# Altium PCB LH_JG_HHT_MAIN_PCB(DY)_V3.1DPT20170416PM.PcbDoc (continued)
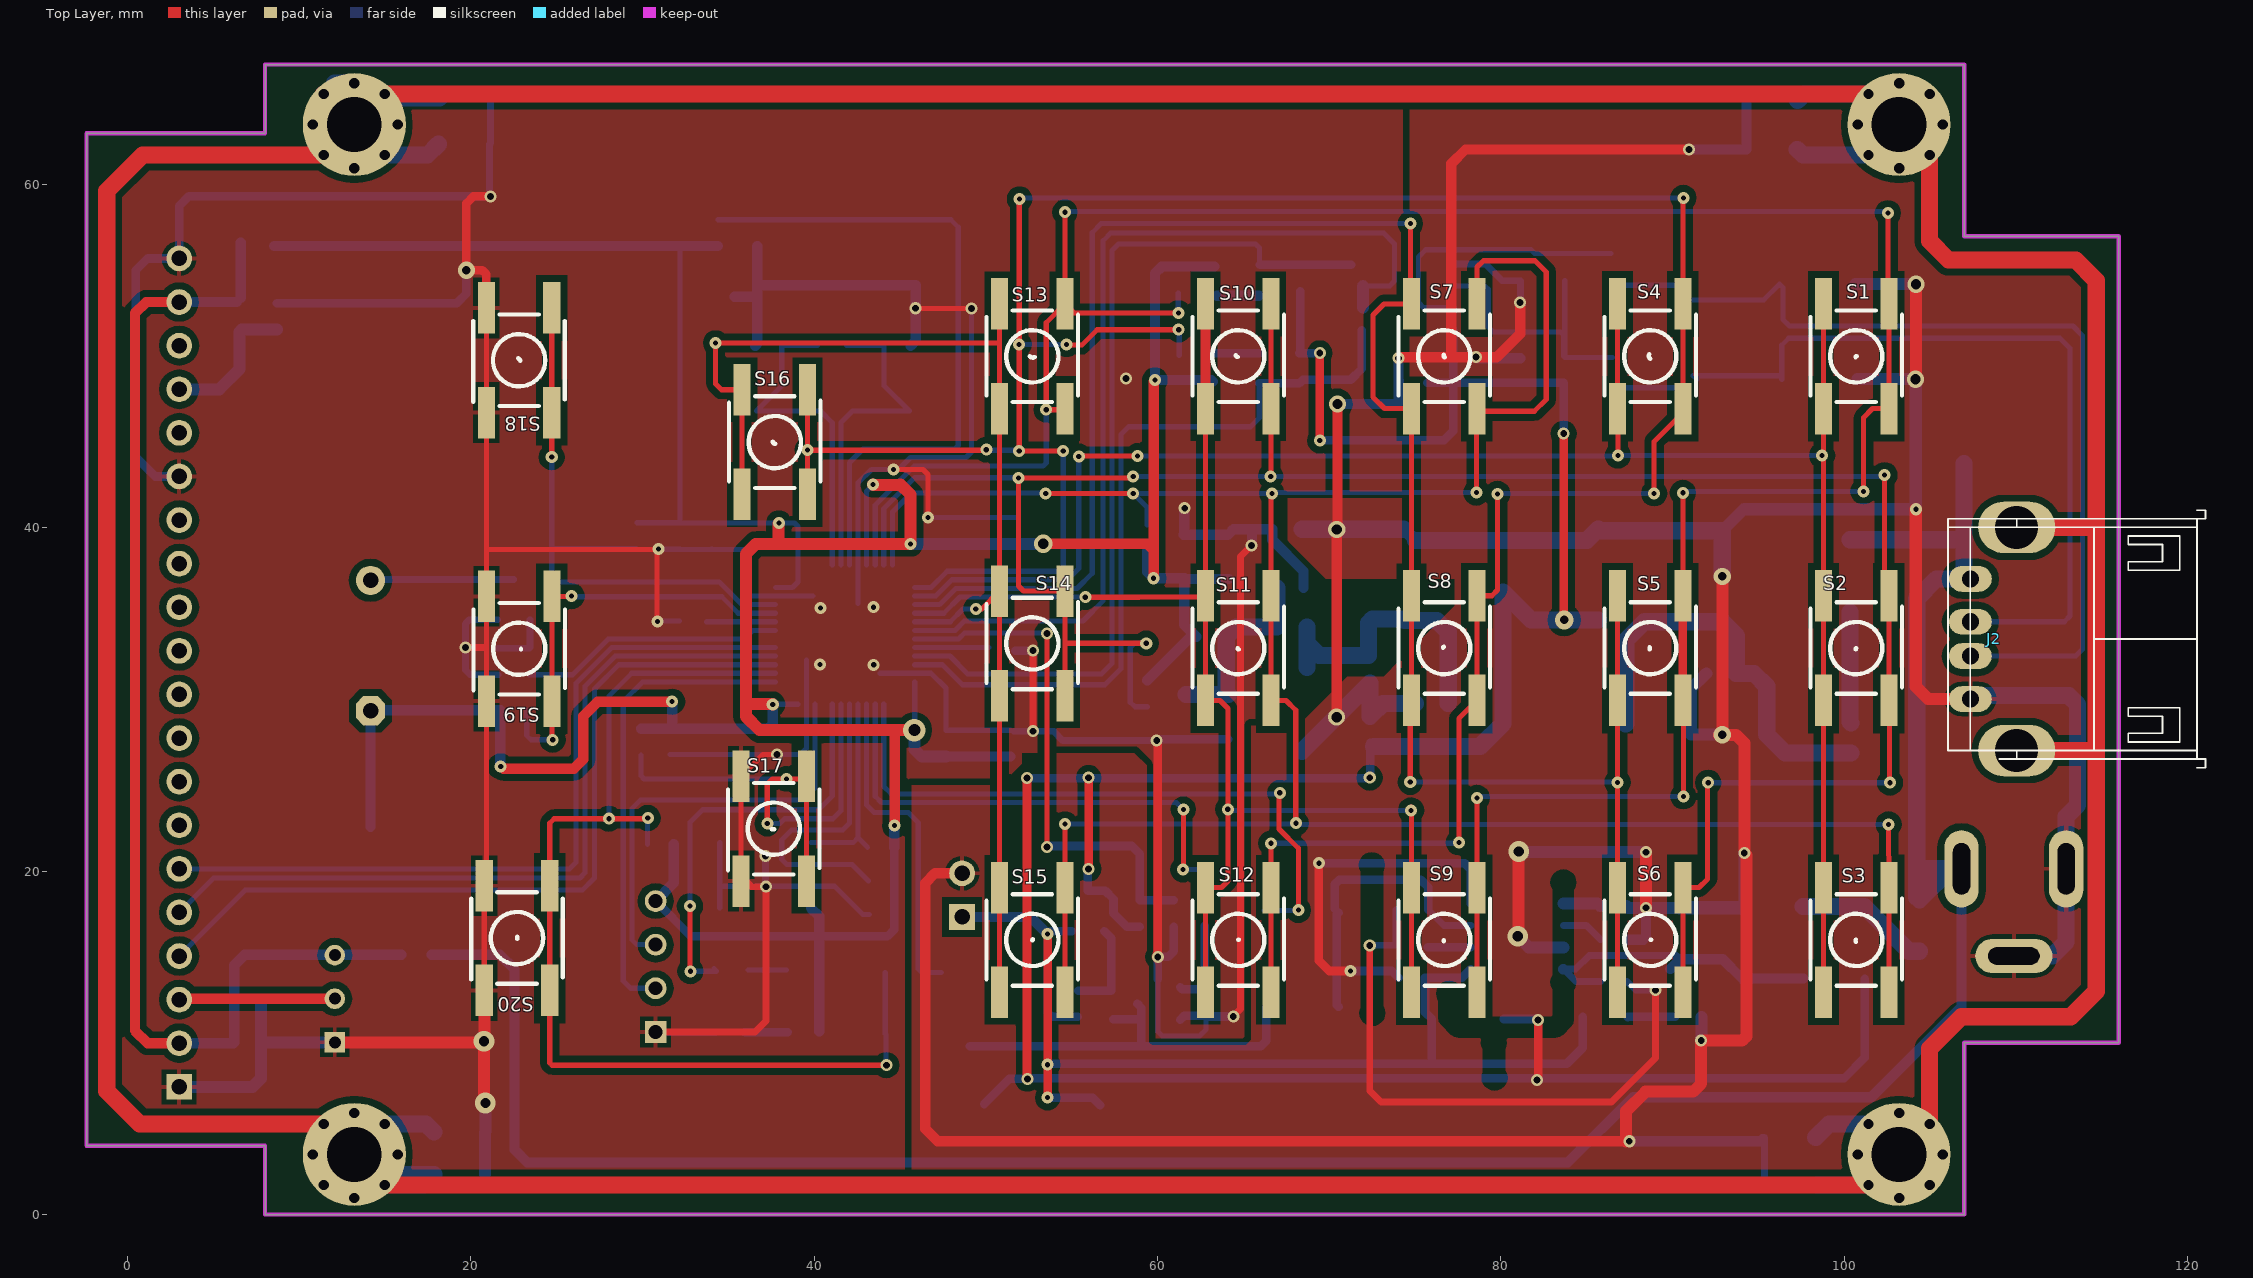
[diagram p0: Top Layer view]
## Nets (pads, with @x,y where several pads share a name; then routed paths per layer and width w, separated by ;. In a path a pad name is that pad's centre, name@x,y a point inside that pad or via, vN(x,y) a via of type N, cw(c..) or ccw(c..) an arc to the next point about the centre after c; other vN are vias at no path point)
485_C: U2.18 U4.2 U4.3 | length 55.5
  Bottom Layer w0.3: U2.18 48.197,34.032 48.74,34.576 55.648,34.576 56.83,35.758 56.83,56.731 57.274,57.175 73.175,57.175 73.81,56.54 73.81,54.381 73.531,54.102 U4.3
  Bottom Layer w0.7: U4.2 U4.3
485A: D16.2 D17.2 J2.2 R38.1 | length 50
  Bottom Layer w0.3: R38.1 D16.2@90.513,48.172 ; D16.2@91.413,48.666 D16.2 D17.2@96.157,48.869 ; D17.2 96.36,50.64 96.77,51.05 112.58,51.05 113.16,50.47 113.16,34.866 112.827,34.533 J2.2
485B: D16.1 D18.2 J2.3 R36.1 | length 54.2
  Bottom Layer w0.3: R36.1 D16.1@90.358,54.141 ; D16.1 95.316,53.289 D18.2 96.44,53.994 96.44,52.135 96.809,51.765 113.326,51.765 113.89,51.201 113.89,32.927 113.496,32.533 J2.3
BAT_C: D5.1 U2.26 | length 37.3
  Top Layer w0.3: v1(67.12,24.57) 67.08,24.53 67.08,22.46 68.2,21.34 v1(68.2,17.74)
  Bottom Layer w0.3: U2.26 44.05,24.94 44.48,24.51 67.06,24.51 v1(67.12,24.57) ; D5.1 v1@68.18,17.72
BEEP: R24.1 U2.43 | length 15.5
  Bottom Layer w0.3: R24.1@23.41,31.43 R24.1 25.91,31.45 27.992,33.532 35.916,33.532 36.416,34.032 U2.43
BOOT0: R19.2 U2.44 | length 4
  Bottom Layer w0.3: R19.2@33.722,34.532 U2.44
BOOT1: R22.2 U2.20 | length 4.3
  Bottom Layer w0.3: U2.20 R22.2@50.17,33.032
CHRG: CN1.7 D3.2 D5.2 D13.2 | length 16.9
  Bottom Layer w0.4: D13.2 76.694,16.84 CN1.7
  Bottom Layer w0.5: D5.2@70.32,17.81 70.32,19.24 70.59,19.51 75.33,19.51 75.78,19.06 D13.2 ; D3.2 70.44,12.21 70.44,17.49 D5.2@70.54,17.59
EGND: EC1.1 EC2.1 EC3.1 EC4.1 EGND1.0 EGND2.0 EGND3.0 EGND4.0 ER1.1 ER2.1 ER3.1 ER4.1 J2.5 J2.6 | length 378.4
  Top Layer w1: v3(11.422,5.278) 0.702,5.278 -1.22,7.2 -1.22,59.63 0.872,61.722 v3(11.422,61.722) ; v3(11.422,65.278) v3(14.978,65.278) v3(101.422,65.278) ; v3(14.978,1.722) v3(101.422,1.722) ; v3(104.978,5.278) 104.978,9.668 106.83,11.52 113.2,11.52 114.69,13.01 114.69,54.41 113.49,55.61 106.08,55.61 104.978,56.712 v3(104.978,61.722) ; J2.5 114.597,27.033 ; J2.6 114.263,40.033
  Bottom Layer w1: EGND2.0 v3(14.978,5.278) 17.372,5.278 ER1.1 ; v3(13.2,65.913) 12.057,65.913 12.057,62.103 12.438,61.722 EGND4.0@14.978,64.262 ; v3(14.978,1.722) 17.232,1.722 EC1.1 EGND2.0@15.586,2.33 ; v3(14.978,61.722) 17.468,61.722 EC3.1 ; EGND4.0@15.202,65.054 ER3.1 ; ER4.1 97.6,61.722 v3(101.422,61.722) ; EC4.1 97.658,65.278 v3(101.422,65.278) ; EC2.1 99.122,5.278 v3(101.422,5.278) ; ER2.1@98.462,1.722 v3(101.422,1.722)
  other v3: 13.2,0.96 103.2,0.96 11.422,1.722 104.978,1.722 10.787,3.5 15.74,3.5 100.787,3.5 105.74,3.5 13.2,5.913 103.2,5.913 13.2,60.96 103.2,60.96 10.787,63.5 15.74,63.5 100.787,63.5 105.74,63.5 104.978,65.278 103.2,65.913
GND: C1.1 C9.1 C10.1 C14.2 C15.2 C27.2 C28.2 CN1.0 CN1.3 D1.1 D8.1 D11.1 D17.1 D18.1 E2.2 E6.2 E7.2 E8.2 EC2.2 EC4.2 ER2.2 ER4.2 GND1.1 J1.2 J1.3 J2.4 L2.1 R9.2 R39.1 R41.2 RISET1.2 U1.1 U4.5 | length 328.7
  Top Layer w0.6: C14.2 47.03,19.88 46.46,19.31 46.46,5 47.19,4.27 87.29,4.27 v2(87.48,4.27) ; v4@70.44,28.99 v4(70.44,39.91) ; v4@70.48,39.95 v4(70.48,47.22) ; v2@74.1,49.95 77.11,49.95 ; v2(81.12,53.14) 81.12,51.32 79.75,49.95 v2(78.56,49.95) 77.11,49.95 ; v2(90.96,62.05) 77.94,62.05 77.11,61.22 77.11,49.95
  Top Layer w0.7: v5@80.98,20.89 v5@81,20.91 ; v5(80.983,16.205) 81.04,16.262 v5(81.04,21.15) ; v2@87.29,4.27 87.29,6.02 88.43,7.16 91.2,7.16 91.67,7.63 v2(91.67,10.13) 94.05,10.13 94.3,10.38 94.3,20.95 v2(94.18,21.07) ; v2(88.45,17.87) v2(88.45,21.11) ; v6(92.9,37.18) 92.9,28.14 92.71,27.95 v6(92.9,27.95) 93.7,27.95 94.19,27.46 v2@94.19,21.13 ; v1@104.17,41.09 104.17,30.76 104.897,30.033 J2.4 ; v4@104.18,48.68 v4(104.18,54.2)
  Bottom Layer w0.4: U4.5 79.108,55.372 80.081,54.399 R39.1 v2@81.14,53.16 ; RISET1.2@87.35,15.93 87.42,16 87.42,16.01 RISET1.2 ; D11.1@93.91,17.87 D11.1 D11.1@94.18,18.14 ; ER2.2 EC2.2
  Bottom Layer w0.6: v4(70.48,47.22) 73.94,47.22 74.05,47.33 C27.2 ; C27.2@74.04,48.6 v2(74.04,49.89) ; v2@78.616,49.894 C28.2 ; RISET1.2@87.42,16.01 88.29,16.01 88.45,16.17 v2(88.45,17.87) ; v2(87.48,4.27) 95.134,4.27 EC2.2@95.244,4.38 ; v2(90.96,62.05) 94.288,62.05 ER4.2 94.31,62.072 EC4.2
  Bottom Layer w0.7: E2.2@74.331,39.929 E2.2@74.39,39.988 ; E2.2 E2.2@75.022,39.27 ; v5(80.983,16.205) 81.618,15.57 CN1.3 ; v5(81.04,21.15) 81.08,21.11 v2(88.45,21.11) ; R41.2 87.42,17.87 v2(88.45,17.87) C15.2 ; v2(91.67,10.13) 91.69,10.15 R9.2 ; C9.1 91.07,30.626 D8.1 92.885,27.965 v6(92.9,27.95) ; E7.2 94.154,41.09 v1(104.18,41.09) ; D11.1@94.18,18.14 v2(94.18,21.07) ; D18.1 v4@104.176,54.204 ; D17.1 104.17,48.666 v1@104.17,41.31
  Bottom Layer w0.8: C15.2 D11.1@93.91,17.87
  Bottom Layer w1: D1.1@68.406,26.975 72.38,30.949 C10.1 73.139,29.774 U1.1 ; L2.1 E2.2@74.331,39.929 ; E2.2@75.022,39.27 E6.2 85.003,39.27 E8.2 85.772,39.836 E7.2 v6(92.9,37.18) ; J2.4 107.547,30.23 113.08,30.23 113.6,29.71 113.6,23.856 112.932,23.188 J1.2 112.932,15.872 112.122,15.062 J1.3
  other v4: 70.43,28.98 104.16,48.66
KEY: D2.1 U2.28 | length 19.3
  Bottom Layer w0.3: U2.28 43.05,23.87 43.49,23.43 45.47,23.43 46.06,22.84 46.06,14.3 46.263,14.097 D2.1@47.393,14.097
LCD_CLK: P1.6 U2.41 | length 46.2
  Bottom Layer w0.3: P1.6 25.74,20.14 26.12,20.52 26.12,30.953 28.199,33.032 U2.41
LCD_CS: P1.4 U2.39 | length 48.2
  Bottom Layer w0.3: P1.4 6.838,18.898 26.488,18.898 27.2,19.61 27.2,30.619 28.613,32.032 U2.39
LCD_POW: C11.1 C13.1 P1.2 P1.19 R10.3 R13.2 R14.2 R15.1 | length 71.8
  Top Layer w0.6: P1.2 1.16,9.98 0.42,10.72 0.42,52.51 1.07,53.16 P1.19
  Bottom Layer w0.6: P1.2 6.162,9.98 C11.1 C13.1 6.215,14.529 6.825,15.138 R14.2 ; P1.19 R15.1@6.345,53.16 ; R15.1@6.585,53.4 R13.2
LCD_SID: P1.5 U2.40 | length 47.3
  Bottom Layer w0.3: P1.5 5.009,19.609 26.35,19.609 26.65,19.909 26.65,30.776 28.406,32.532 U2.40
LED0: D14.2 U2.32 | length 24.7
  Top Layer w0.3: v1@32.76,14.2 v1(32.76,17.97)
  Bottom Layer w0.3: v1(32.76,17.97) 32.76,22.86 33.48,23.58 40.249,23.58 41.05,24.381 U2.32 ; v1(32.787,14.173) D14.2 D14.2@34.158,14.32
LED1: U2.33
MCU_ADC: R1.2 R2.1 U2.19 | length 30.6
  Top Layer w0.3: v2(53.56,21.42) v2(53.56,33.85)
  Bottom Layer w0.3: U2.19 48.404,33.532 48.762,33.89 v2@53.56,33.89
  Bottom Layer w0.5: v2(53.56,21.42) 53.61,21.47 58.5,21.47 58.95,21.02 R1.2 R2.1@60.95,18.316
NetC8_2: C8.2 E1.1 E3.1 L1.2 R3.2 | length 11.3
  Bottom Layer w1: E3.1 E1.1 64,30.422 R3.2 64.584,34.239 L1.2 66.945,36.485 C8.2
NetC9_2: C9.2 D8.2 E7.1 F2.2 L3.1 | length 24.5
  Bottom Layer w1: L3.1 87.276,33.441 88.37,34.536 E7.1 93.715,33.721 C9.2 94.745,31.521 95.49,30.776 D8.2 96.568,26.887 F2.2
NetC12_1: C12.1 R9.1 | length 2.8
  Bottom Layer w0.5: C12.1 87.4,11.52 R9.1
NetC15_1: C15.1 CN1.4 D9.2 D11.2 R8.2 | length 18.2
  Bottom Layer w0.4: R8.2 84.37,13.58 CN1.4 84.36,14.3 85.15,15.09 90.22,15.09 C15.1
  Bottom Layer w0.6: CN1.4@83.64,14.29 CN1.4 ; C15.1@89.87,14.3 C15.1 92.93,14.87 D11.2 D11.2@94.05,13.75 ; D11.2@94.14,13.66 D11.2@94.05,13.75 ; D9.2 D11.2@94.05,13.75
NetC16_1: C16.1 P1.17 R15.2 | length 8.2
  Bottom Layer w0.7: P1.17 5.34,48.08 6.51,49.25 R15.2 ; R15.2@6.639,51.554 C16.1
NetC17_1: C17.1 R21.2 U2.5 Y1.1 | length 19.5
  Bottom Layer w0.3: R21.2 C17.1 38.1,48.276 Y1.1 40.36,46.816 41.05,46.127 U2.5
NetC18_1: C18.1 R21.1 U2.6 Y1.2 | length 19.2
  Bottom Layer w0.3: U2.6 41.55,46.138 42.22,46.808 Y1.2 44.07,48.278 C18.1 R21.1
NetCN1_1: CN1.1 R41.1 | length 2.2
  Bottom Layer w0.7: CN1.1 85.64,18.11 R41.1
NetCN1_2: CN1.2 RISET1.1 | length 2.5
  Bottom Layer w0.4: CN1.2 84.98,16.84 RISET1.1
NetCN1_6: CN1.6 D12.2 | length 2.5
  Bottom Layer w0.5: D12.2@75.74,15.57 CN1.6
NetCN1_8: CN1.8 Rx1.2 | length 21.7
  Top Layer w0.5: v1(69.4,20.47) 69.4,14.79 70,14.19 v1(71.24,14.19)
  Bottom Layer w0.5: v1(69.4,20.47) 77.89,20.47 78.25,20.11 CN1.8 ; v1(71.24,14.19) 73.64,14.19 Rx1.2
NetD3_1: D3.1 D4.1 Q2.3 R5.1 | length 23.6
  Bottom Layer w0.5: D4.1@49.06,9.8 66.02,9.8 66.34,10.12 D3.1 ; R5.1@57.426,11.367 59.06,11.367 ; Q2.3@58.81,12.29 59.06,12.04 59.06,11.367 ; 59.06,9.81 59.06,11.367
NetD6_1: D6.1 D9.1 F1.1 | length 7.9
  Bottom Layer w1: D9.1 101.17,17.95 D6.1 103.78,15.34 F1.1
NetD7_2: D7.2 F2.1 | length 6.5
  Bottom Layer w1: D7.2 100.34,28.697 F2.1
NetD12_1: D12.1 D13.1 R8.1 | length 35.8
  Top Layer w0.4: v2(72.36,15.67) 72.36,7.22 73.03,6.55 86.45,6.55 89.01,9.11 v2(89.01,13.07)
  Bottom Layer w0.4: v2(72.36,15.67) 72.38,15.69 D12.1 73.88,15.73 D13.1 ; R8.1 87.86,13.07 v2(89.01,13.07)
NetD14_1: D14.1 R11.1 | length 2.3
  Bottom Layer w0.3: D14.1@36.131,14.249 R11.1
NetD15_1: D15.1 R12.1 | length 2.5
  Bottom Layer w0.5: D15.1@35.99,10.617 R12.1
NetJ3_2: J3.2 Q3.3 | length 8.3
  Bottom Layer w0.4: J3.2@14.205,37.005 Q3.3
NetP1_3: P1.3 R10.2 | length 9
  Top Layer w0.6: P1.3@3.053,12.573 R10.2
NetQ1_1: Q1.1 R4.2 R5.2 | length 5.6
  Bottom Layer w0.5: R4.2@55.375,13.033 R5.2 57.3,16.105 Q1.1
NetQ2_1: Q2.1 R6.2 R7.2 | length 5.2
  Bottom Layer w0.5: Q2.1@61.31,13.24 61.43,13.12 R7.2 ; R7.2@62.75,13.2 R6.2
NetQ3_1: Q3.1 R24.2 R25.2 | length 3.4
  Bottom Layer w0.4: R25.2 R24.2 ; R24.2@23.44,33.04 Q3.1
NetR34_1: R34.1 R38.2 R40.1 U4.6 | length 17.3
  Bottom Layer w0.3: U4.6 79.066,54.102 79.26,53.908 79.26,51.7 79.55,51.41 83.472,51.41 83.66,51.222 R34.1 83.733,49.922 R38.2 ; R34.1@83.72,50.055 R40.1
NetR35_2: R35.2 RX2.1 | length 2.6
  Bottom Layer w0.5: R35.2@63.315,50.176 RX2.1
NetR36_2: R36.2 R39.2 R40.2 U4.7 | length 16.3
  Bottom Layer w0.3: U4.7 75.498,52.832 75.2,53.13 75.2,55.786 75.625,56.21 81.749,56.21 81.97,55.99 R36.2@86.412,55.99
NetR37_2: R37.2 TX1.1 | length 2.4
  Bottom Layer w0.6: R37.2@63.466,53.532 TX1.1
NRST: C19.2 KEY1.1 KEY1.4 R23.1 U2.7 | length 39.6
  Bottom Layer w0.3: R23.1@34.385,57.955 KEY1.4 KEY1.1 47.955,57.955 48.39,57.52 48.39,44.808 48.185,44.602 42.834,44.602 42.05,43.818 U2.7
PA0: R16.1 S1.2 S1.3 S5.2 S5.3 S9.2 S9.3 S13.2 S13.3 U2.10 | length 155.4
  Top Layer w0.3: S13.2@54.516,46.863 54.491,46.888 v1(53.51,46.888) 53.51,51.953 S13.3 ; v1(54.605,58.395) S13.3 ; v1(61.22,52.52) 55.133,52.52 S13.3 ; S9.2 S9.3 v1(78.605,24.275) ; S5.2 90.56,29.907 90.63,29.837 v1(90.63,24.359) ; S5.3 v1(90.605,42.047) ; v1(101.12,42.13) 101.12,46.42 101.652,46.952 S1.2 S1.3 102.55,53.103 v1(102.55,58.344)
  Top Layer w0.5: S13.2@54.58,46.977 S13.2 ; S5.2 S5.3
  Bottom Layer w0.3: U2.10 43.55,41.337 45.813,43.601 53.321,43.601 53.51,43.79 v1(53.51,46.888) ; v1(54.605,58.395) 54.645,58.434 102.46,58.434 v1(102.55,58.344) ; v1@61.2,52.54 R16.1 ; v1@78.689,24.359 v1(90.63,24.359) ; v1@90.685,42.127 v1@101.12,42.127
PA1: R17.1 S2.2 S2.3 S6.2 S6.3 S10.2 S10.3 S14.2 S14.3 U2.11 | length 139.3
  Top Layer w0.3: S14.2 54.605,33.28 ; v1@58.478,42.901 v1(51.9,42.901) 51.9,36.614 52.192,36.322 S14.3 54.605,33.28 ; v1(59.34,33.28) 54.605,33.28 ; v1@66.605,43.017 S10.2 S10.3 ; S6.2 S6.3 91.548,19.048 92.04,19.54 v1@92.04,25.08 ; v1(102.35,43.078) 102.35,36.303 S2.3@102.524,36.129 ; S2.3 S2.2 102.65,29.907 v1@102.65,25.18
  Bottom Layer w0.3: U2.11 44.05,41.13 45.846,42.926 v1@51.9,42.926 ; v1(58.58,43.002) v1(66.59,43.002) v1@102.35,43.002 ; v1(59.34,33.28) 58.66,33.28 58.41,33.03 58.41,29.85 58.68,29.58 R17.1 ; v1(92.08,25.16) v1(102.67,25.16)
PA2: R18.1 S3.2 S3.3 S7.2 S7.3 S11.2 S11.3 S15.2 S15.3 U2.12 | length 150.8
  Top Layer w0.3: v1(53.483,42.012) v1(58.58,42.012) ; S15.2 S15.3 v1(54.605,22.75) ; v1(66.66,42.01) 66.605,42.01 S11.3 S11.2 67.478,29.952 68.05,29.38 68.05,22.82 v1(68.07,22.8) ; v1(78.57,42.062) S7.2@78.57,46.917 ; S7.2 S7.2@78.57,46.917 ; S7.3 78.605,55.195 78.98,55.57 81.98,55.57 82.64,54.91 82.64,47.49 81.95,46.8 78.687,46.8 S7.2@78.57,46.917 ; v1(102.59,22.73) S3.3 S3.2
  Bottom Layer w0.3: U2.12 44.55,40.923 45.664,42.037 v1@53.483,42.037 ; v1(54.605,22.75) v1@68.02,22.75 ; R18.1 59.39,41.202 v1(58.58,42.012) v1@66.658,42.012 ; v1@66.713,42.062 v1(78.57,42.062) ; v1@68.195,22.675 68.25,22.73 v1(102.59,22.73)
PA3: R20.1 S4.2 S4.3 S8.2 S8.3 S12.2 S12.3 S16.2 S16.3 U2.13 | length 170.1
  Top Layer w0.3: S16.2 v1(39.605,44.552) ; S16.3 v1(39.605,44.552) ; v1@50.02,44.526 39.732,44.526 39.681,44.475 v1(39.605,44.552) ; v1@51.94,59.137 v1(51.94,44.475) v1(54.5,44.475) ; v1@54.74,50.65 55.58,50.65 56.48,51.55 v1(61.23,51.55) ; S12.2 S12.3 v1@66.605,21.625 ; v1(77.55,21.68) 77.55,28.897 S8.2 S8.3 79.465,36.048 79.8,36.383 v1(79.8,41.986) ; v1(88.93,42.012) 88.93,45.037 90.58,46.687 90.46,46.807 S4.2 S4.3 90.605,59.233 v1(90.63,59.233)
  Bottom Layer w0.3: U2.13 46.8,36.532 47.749,37.481 50.321,37.481 54.226,37.48 54.5,37.754 v1(54.5,44.475) v1@54.5,44.602 ; v1@50.02,44.526 51.889,44.526 v1(51.94,44.475) ; v1(51.93,50.69) v1(54.7,50.69) ; v1@51.96,59.233 v1@90.605,59.233 ; R20.1 v1@61.26,51.52 ; v1(66.6,21.63) v1@77.5,21.63 ; v1@79.735,42.189 79.913,42.012 v1(88.93,42.012)
  other v1: 50.02,44.56 51.96,59.157
PA4: S1.1 S1.4 S2.1 S2.4 S3.1 S3.4 S4.1 S4.4 U2.14 | length 109
  Top Layer w0.3: v1@55.435,44.196 v1(58.84,44.196) ; S4.4 S4.1 86.86,46.887 86.8,46.827 86.82,46.807 v1(86.82,44.221) ; S3.1 S3.4 S2.1 S2.4 S1.1 S1.4
  Bottom Layer w0.3: U2.14 47.077,36.032 48.025,36.981 50.114,36.981 ; 50.115,36.98 54.746,36.98 55.41,37.644 v1(55.41,44.171) ; v1(58.84,44.196) v1@86.795,44.196 ; v1(86.82,44.221) v1(98.714,44.221)
PA5: S5.1 S5.4 S6.1 S6.4 S7.1 S7.4 S8.1 S8.4 U2.15 | length 121.1
  Top Layer w0.3: v1(74.72,25.197) 74.72,29.877 S8.1 S8.4 S8.4@74.775,36.068 ; v1(74.73,57.734) 74.73,53.283 S7.4@74.88,53.133 ; S8.4@74.795,36.088 S7.1 73.218,46.952 72.55,47.62 72.55,52.4 73.198,53.048 S7.4 ; S6.1 S6.4 v1(86.795,25.171) S5.4
  Bottom Layer w0.3: U2.15 47.287,35.532 48.236,36.481 49.907,36.481 ; 49.908,36.48 55.305,36.48 56.19,37.365 56.19,57.202 56.722,57.734 v1(74.73,57.734) ; v1(74.72,25.197) v1@86.77,25.197
PA6: S9.1 S9.4 S10.1 S10.4 S11.1 S11.4 S12.1 S12.4 U2.16 | length 81.1
  Top Layer w0.3: v1(55.79,35.966) 58.926,35.966 ; 58.93,35.97 S11.4@62.717,35.97 ; S12.1 S12.4 63.728,19.048 64.11,19.43 64.11,29.48 63.638,29.952 S11.1 S11.4 S10.1 ; v1(74.77,23.54) 74.77,23.72 74.795,23.745 S9.4 S9.1
  Top Layer w0.6: S10.1 S10.4
  Bottom Layer w0.3: U2.16 47.545,35.032 48.494,35.981 49.7,35.981 v1@55.79,35.98 ; v1@64.16,23.54 v1(74.77,23.54)
  other v1: 64.09,23.61
PA7: S13.1 S13.4 S14.1 S14.4 S15.1 S15.4 S16.1 S16.4 U2.17 | length 72.4
  Top Layer w0.3: S16.1 S16.4 34.601,48.048 34.25,48.399 v1(34.25,50.775) 50.744,50.775 ; v1(49.41,35.281) 49.754,35.281 S14.4 ; S15.1 S15.4 S14.1 S14.4 ; S13.4 S13.1 S14.4
  Bottom Layer w0.3: U2.17 47.921,34.532 48.669,35.281 v1(49.41,35.281)
PA8: D2.2 D4.2 R26.1 S20.1 S20.4 U2.38 | length 63.7
  Top Layer w0.3: v1@30.26,23.06 v1(28.03,23.06) 24.85,23.06 24.585,22.795 S20.1 S20.4 24.585,8.845 24.73,8.7 v2(44.2,8.7)
  Bottom Layer w0.3: v1(28.03,23.06) 28.03,30.2 29.362,31.532 U2.38 ; R26.1 v1@30.28,23.08 ; D4.2@44.13,10.53 D2.2 ; v2@44.17,8.73 D4.2
  other v1: 30.3,23.1
PA9: R27.1 S19.1 S19.4 U2.45 | length 24.8
  Top Layer w0.3: v1@24.715,27.705 S19.4 S19.1 v1@25.86,36.012
  Bottom Layer w0.3: R27.1 23.25,27.9 23.49,27.66 v1(24.76,27.66) ; v1(25.86,36.03) 25.898,35.992 34.613,35.992 35.573,35.032 U2.45
PA10: R30.1 S18.1 S18.4 U2.46 | length 34.2
  Top Layer w0.3: v1(24.705,44.124) S18.4 S18.1
  Bottom Layer w0.3: v1(24.705,44.124) 24.705,37.302 25.152,36.855 34.457,36.855 35.78,35.532 U2.46 ; 24.725,38.81 R30.1
PA11: R31.1 S17.1 S17.4 U2.31 | length 31.2
  Top Layer w0.3: v1(37.26,22.78) 37.26,25.08 37.56,25.38 v1(38.38,25.38) S17.1@39.4,25.38 ; S17.4 S17.1
  Bottom Layer w0.3: R31.1@29.9,26.76 29.9,25.56 30.08,25.38 v1(38.38,25.38) ; v1(37.26,22.78) 37.99,22.78 38.27,23.06 41.09,23.06 41.55,23.52 U2.31
PWR: R6.1 U2.27 | length 29.9
  Top Layer w0.3: v1@61.5,20.12 v1(61.5,23.6)
  Bottom Layer w0.3: U2.27 43.55,24.37 43.91,24.01 61.09,24.01 v1(61.5,23.6) ; v1(61.48,20.1) 62.36,20.1 62.75,19.71 R6.1
STM_RXD3: R33.1 RX2.2 U2.22 U4.1 | length 45.6
  Bottom Layer w0.3: U2.22 47.465,32.032 48.636,30.861 56.94,30.861 57.86,31.781 57.86,45.45 58.308,45.898 65.412,45.898 65.92,46.406 RX2.2
  Bottom Layer w0.5: RX2.2 68.263,48.426 68.47,48.633 71.255,48.633 71.906,49.284 U4.1@71.906,51.512
STM_SWC: CON1.2 U2.37 | length 27.7
  Bottom Layer w0.3: CON1.2 29.3,13.183 28.87,13.613 28.87,29.9 30.002,31.032 U2.37
STM_SWD: CON1.3 U2.34 | length 25.2
  Bottom Layer w0.3: CON1.3 29.657,15.723 29.37,16.01 29.37,23.64 29.89,24.16 39.34,24.16 40.05,24.87 U2.34
STM_TXD3: R32.1 TX1.2 U2.21 U4.4 | length 51.5
  Bottom Layer w0.3: U2.21 47.9,32.532 48.936,31.496 56.723,31.496 57.34,32.113 57.34,56.158 57.73,56.548 65.707,56.548 65.947,56.307 65.947,55.329 TX1.2@65.91,55.367
  Bottom Layer w0.5: TX1.2@65.947,55.329 R32.1 U4.4@71.288,55.329
U_SCL: R28.2 U2.30 U3.6 | length 18
  Bottom Layer w0.3: U2.30 42.05,22.8 41.66,22.41 38.69,22.41 38.1,21.82 38.1,20.69 38.394,20.396 U3.6 42.195,20.396 R28.2
U_SDA: R29.2 U2.29 U3.5 | length 11.4
  Bottom Layer w0.3: U3.5 42.269,21.666 42.55,21.947 ; U2.29 42.55,21.947 ; R29.2 42.55,21.947
V_BAT: C12.2 C14.1 CN1.5 D10.1 Q1.2 R4.1 Rx1.1 V_BAT1.1 | length 67.5
  Top Layer w0.5: v1(53.59,6.81) v1(53.59,8.73) v1(53.59,16.34)
  Bottom Layer w0.5: v1(53.59,6.81) 56.21,6.81 V_BAT1.1 ; v1@53.59,8.79 76.05,8.79 ; Q1.2 53.765,16.515 v1(53.59,16.34) 53.59,11.77 53.842,11.518 R4.1 ; CN1.5 77.74,13.79 Rx1.1 75.58,11.79 D10.1 75.98,8.86 76.05,8.79 ; C12.2 84.77,9.72 83.84,8.79 76.05,8.79
  Bottom Layer w0.6: C14.1 52.59,17.34 v1(53.59,16.34)
VCC-3.3V: C1.2 D1.2 E2.1 L1.1 U1.2 | length 17.3
  Bottom Layer w1: D1.2@68.695,31.875 68.695,33.283 ; L1.1 68.695,33.283 ; E2.1 76.264,34.612 76.93,33.946 U1.2 ; E2.1@74.39,34.688 72.514,34.688 72.29,34.464 C1.2 69.399,32.579 68.695,33.283
VCC-5V: C10.2 C27.1 C28.1 D6.2 D10.2 E6.1 E8.1 L3.2 Q1.3 R1.1 R32.2 R33.2 R34.2 U1.3 U4.8 VCC-1.1 | length 180.5
  Top Layer w0.3: v2(72.36,25.451) v2@72.38,25.431
  Top Layer w0.5: v2@52.39,7.93 v2(52.39,25.425) ; v2(55.98,20.14) v2(55.98,25.45) ; v1(69.45,45.085) v2(69.45,50.19) ; v2(82.1,7.84) 82.17,7.91 v2(82.17,11.34) ; v2(83.66,45.5) 83.66,34.67 v9(83.69,34.64)
  Bottom Layer w0.5: VCC-1.1 51.36,7.9 v2(52.42,7.9) ; v2@52.29,25.425 v2(52.39,25.425) 72.38,25.425 C10.2 ; v2@52.42,7.85 52.5,7.93 99.99,7.93 101.19,9.13 D6.2 ; v2@55.94,20.1 Q1.3 56.945,18.865 57.43,18.38 57.43,17.55 58.204,16.776 R1.1 ; R33.2 v2@69.433,50.173 ; R33.2@68.32,50.223 R32.2 ; v1@69.492,45.11 76.69,45.11 77.214,45.634 77.214,48.455 ; C27.1@75.725,48.455 77.214,48.455 ; U4.8@77.214,51.512 77.214,48.455 ; D10.2 82.12,11.39 v2(82.17,11.34) ; v2(83.66,45.5) R34.2 77.214,48.455
  Bottom Layer w1: C10.2@72.581,27.274 U1.3 78.795,27.274 80.13,28.609 E6.1 81.763,34.637 E8.1
VDD: C2.1 C3.2 C4.2 C5.2 C6.2 C7.2 C20.2 C21.2 C22.2 C23.2 C24.2 C25.2 C26.2 CON1.4 E4.1 E5.1 J3.1 R3.1 R11.2 R12.2 R13.1 R16.2 R17.2 R18.2 R20.2 R23.2 R26.2 R27.2 R28.1 R29.1 R30.2 R31.2 R35.1 R37.1 U2.1 U2.9 U2.24 U2.36 U2.48 U3.8 VDD1.1 | length 242.4
  Top Layer w0.5: 36.02,29.718 v1(37.58,29.718) ; 36.02,31.471 36.1,31.471
  Top Layer w0.6: v1@21.89,25.97 25.99,25.97 26.54,26.52 26.54,29.03 27.39,29.88 v1(31.72,29.88) ; v1(44.68,22.657) 44.68,28.189 ; v8(53.34,39.076) 59.4,39.076 59.772,38.705 ; v1(59.772,37.069) 59.772,38.705 ; v1@59.772,48.537 59.772,38.705
  Top Layer w0.7: 36.02,29.718 36.02,29.016 36.816,28.219 v7(45.83,28.219) ; v1(37.58,29.718) 37.555,29.743 36.02,29.743 36.02,31.471 36.02,38.495 36.59,39.065 37.92,39.065 ; v1@37.92,40.264 37.92,39.065 ; v1(43.43,42.524) 43.445,42.509 44.993,42.509 45.008,42.524 45.02,42.524 45.61,41.934 v1(45.61,39.065) 37.92,39.065
  Bottom Layer w0.3: R30.2@29.69,40.3 C4.2 32.176,56.414 ; C4.2@32.186,40.29 C2.1 38.841,40.29 39.05,40.081 U2.1 39.05,36.852 38.73,36.532 U2.48 ; v1@37.594,29.732 U2.36 ; U2.9 43.05,42.144 v1(43.43,42.524) ; v7@45.85,28.239 U2.24
  Bottom Layer w0.5: CON1.4 32.817,16.205 40.29,16.205 ; 40.367,16.205 44.261,16.205 44.65,16.595 R29.1
  Bottom Layer w0.6: R13.1@8.522,56.43 R23.2 ; VDD1.1@14.147,22.583 J3.1 ; J3.1@14.18,29.38 R27.2 v1@21.71,26.15 ; R31.2@29.9,28.3 37.3,28.3 37.58,28.58 v1(37.58,29.718) ; CON1.4 31.82,19.323 R26.2 ; C21.2@31.72,28.37 v1(31.72,29.88) ; U3.8 40.29,17.37 40.29,16.205 R11.2 R12.2@40.29,10.677 ; R29.1 v1@44.65,22.627 ; C23.2@47.676,26.682 C25.2@51.426,26.682 ; R18.2 59.39,37.451 v1(59.772,37.069) E4.1 ; R17.2 61.935,33.655 R3.1 61.56,34.345 E4.1 ; R35.1 63.126,48.616 v1(59.85,48.616) 59.85,54.832 60.246,55.228 R37.1 ; E5.1 61.6,37.029 E4.1
  Bottom Layer w0.7: v1(45.61,39.065) C7.2@51.72,39.065 ; v7@45.85,28.239 45.85,27.085 46.263,26.672 C23.2@47.666,26.672 ; C7.2@51.731,39.076 v8(53.34,39.076) v8@53.449,39.076
  other v1: 21.73,26.1 37.94,40.284
VSS: C2.2 C3.1 C4.1 C5.1 C6.1 C7.1 C8.1 C11.2 C13.2 C16.2 C17.2 C18.2 C19.1 C20.1 C21.1 C22.1 C23.1 C24.1 C25.1 C26.1 CON1.1 D15.2 E1.2 E3.2 E4.2 E5.2 EC1.2 EC3.2 ER1.2 ER3.2 KEY1.2 KEY1.3 L2.2 P1.1 P1.15 P1.20 Q2.2 Q3.2 R2.2 R7.1 R10.1 R19.1 R22.1 R25.1 S17.2 S17.3 S18.2 S18.3 S19.2 S19.3 S20.2 S20.3 U2.8 U2.23 U2.35 U2.47 U3.1 U3.2 U3.3 U3.4 U3.7 VSS1.1 | length 380.9
  Top Layer w0.3: S20.3 S20.2 20.905,19.284 S19.3 S19.2@20.905,35.255 ; S19.2@20.86,36.057 ccw(c20.905,36.057) S19.2@20.895,36.014 ; S18.2 S18.3 20.895,38.735 ; v1@30.84,34.554 30.84,38.735 20.895,38.735 ; S17.3 35.737,19.71 S17.2 37.01,26.8 v2(37.82,26.8) ; v1(44.62,43.409) 46.335,43.409 46.63,43.113 v1(46.63,40.619) ; v2@45.9,52.79 v2(49.16,52.79) ; S19.2@20.895,36.014 ccw(c20.905,36.057) S19.2 ; S19.2@20.895,36.014 20.895,35.265 S19.2@20.905,35.255 ; S19.2@20.895,36.014 S19.2@20.895,36.022 ; S19.2@20.895,36.022 20.895,38.735 ; S19.2@20.895,36.022 S19.2 ; S19.2@20.905,35.255 S19.2
  Top Layer w0.4: v2(19.68,33.04) 20.845,33.04 ; CON1.1 36.553,10.643 37.18,11.27 v2(37.18,19.1) 36.347,19.1 S17.3@35.737,19.71 ; v2(52.74,28.16) v2(52.74,32.85) ; v2(64.41,11.54) 64.84,11.97 64.84,38.34 v2(65.47,38.97)
  Top Layer w0.5: S18.2 20.895,54.775 20.66,55.01 v6(19.73,55.01) 19.73,58.91 20.14,59.32 v2(21.14,59.32) ; v2(59.95,27.62) 60.01,27.56 v2(60.01,15.01)
  Top Layer w0.7: R10.1 20.703,10.033 v5(20.76,10.09) ; v5@20.76,6.58 v5(20.76,10.09) ; S20.3 20.775,10.105 v5(20.76,10.09)
  Bottom Layer w0.3: v1@30.87,34.569 R19.1 ; v1@30.92,38.76 C4.1 ; C21.1@31.595,26.8 C21.1 C22.1 39.18,26.8 39.55,27.17 U2.35 39.55,32.299 ; C4.1@32.186,38.75 C3.1@34.03,38.75 ; C3.1 C3.1@34.03,38.75 ; U3.1 U3.2 ; U3.4 U3.3 U3.2 ; 39.934,36.032 U2.47 36.188,36.032 35.91,36.311 C2.2 C3.1@34.03,38.75 ; 42.55,35.6 U2.8 42.55,42.634 43.325,43.409 v1(44.62,43.409) 44.914,43.409 45.606,44.101 48.841,44.101 49.16,44.42 v2(49.16,52.79) ; C26.1 42.825,17.475 41.174,19.126 U3.7 U3.2 ; 43.836,31.532 U2.23 46.803,31.532 47.666,30.669 47.666,28.212 C25.1@51.416,28.212 ; v1@46.633,40.616 C7.1@51.731,40.616 ; 60.037,13.717 60.01,13.717 60.01,10.66 60.27,10.4 62.45,10.4 62.83,10.78 R7.1
  Bottom Layer w0.4: v2@21.08,59.38 EC3.2 ; EC3.2@21.13,62.404 ER3.2 ; Q3.2 19.915,34.655 19.68,34.42 v2(19.68,33.04) 19.68,31.72 19.95,31.45 R25.1 ; CON1.1@30.811,10.592 D15.2 ; v2@37.15,19.13 v2(37.15,20.89) ; C25.1@51.62,28.16 v2(52.74,28.16) 53.93,28.16 54.47,27.62 v2(59.95,27.62) v2@59.888,27.682
  Bottom Layer w0.5: P1.15 1.61,43 0.46,44.15 0.46,55 1.16,55.7 P1.20 3,58.76 3.56,59.32 v2(21.14,59.32) ; C16.2 19.164,53.094 19.73,53.66 v6(19.73,55.01) ; R22.1 v2@52.732,32.842 ; v2@59.888,27.682 E3.2 E1.2 ; 60.01,13.717 v2(60.01,15.01) 60.62,15.01 60.94,15.33 R2.2@60.94,16.76 ; Q2.2@61.31,11.34 61.55,11.58 R7.1 62.87,11.54 v2(64.41,11.54)
  Bottom Layer w0.6: VSS1.1 36.59,53.47 ; C17.2 36.68,50.742 36.68,54.145 ; C19.1 36.68,54.145 ; C18.2 45.908,50.92 KEY1.2 KEY1.3 36.68,54.145 ; E4.2@61.53,39.599 64.089,39.599 E5.2 64.419,39.929 65.5,39.929 ; E4.2 61.56,41.13 v2(61.58,41.15) ; v2@65.5,39 65.5,39.929 ; C8.1 68.5,37.484 66.68,39.304 L2.2 65.5,39.929
  Bottom Layer w0.7: P1.1 3.002,7.442 7.267,7.442 7.755,7.93 C11.2 ; C13.2 C11.2 ; R10.1 C11.2 ; EC1.2 ER1.2 ; ER1.2@20.84,4.83 v5(20.84,6.5)
  other v1: 43.46,32.029 40.34,32.055 30.87,34.55 40.37,35.331 43.44,35.382 30.92,38.78
  other v2: 58.17,48.71 45.89,52.8
VUSB: D7.1 F1.2 J1.1 J2.1 R14.1 VUSB1.1 | length 153.5
  Bottom Layer w0.6: R14.1 21.682,15.138 22.54,14.28 22.54,3.77 23.28,3.03 83.89,3.03 87.7,6.84 101.57,6.84 106.836,12.106 J1.1
  Bottom Layer w1: D7.1 107.01,39.311 ; J1.1 J1.1@106.212,20.142 ; VUSB1.1 106.98,37.403 J2.1 105.383,37.033 104.23,35.88 104.23,20.42 ; 104.23,19.23 104.23,18.48 F1.2 J1.1@106.212,20.142 ; 104.23,19.23 105.142,20.142 ; 104.23,19.23 104.23,20.42 ; 104.23,20.42 104.508,20.142 105.142,20.142 ; 105.142,20.142 J1.1@106.212,20.142
pads on no net: P1.7 P1.8 P1.9 P1.10 P1.11 P1.12 P1.13 P1.14 P1.16 P1.18 U2.2 U2.3 U2.4 U2.25 U2.42

## Polygon pours and split planes (outlines as drawn)
no net on Bottom Layer "Top Layer-No Net" (solid, remove dead copper, pour order 51): 46.519,0.059 46.569,0.109 46.569,25.169 51.119,25.169 51.169,25.119 52.119,26.069 52.339,26.069 52.339,26.869 52.349,26.879 52.359,26.869 58.639,26.869 59.428,26.08 59.459,26.049 59.459,9.899 65.189,9.899 65.479,10.189 65.449,10.219 65.449,27.619 65.749,27.919 65.749,28.649 68.449,28.649 68.469,28.669 71.109,31.309 71.139,31.309 72.989,31.309 73.059,31.379 77.949,36.269 77.949,36.279 77.099,37.129 69.669,37.129 69.639,37.129 67.609,39.159 67.589,39.179 67.589,41.719 74.739,41.719 74.779,41.759 74.789,41.769 74.789,67.199 106.799,67.199 106.999,66.999 106.999,56.999 115.889,56.999 115.999,56.889 115.999,9.999 106.999,9.999 106.999,-0.001 46.559,-0.001 46.509,0.049
no net on Bottom Layer "Top Layer-No Net" (solid, remove dead copper, pour order 49): -2.4,63 8,63 8,67 8.08,67.08 73.94,67.08 74.28,67.08 74.64,66.72 74.82,66.54 74.82,41.82 67.74,41.82 67.65,41.73 67.59,41.67 67.59,39.09 67.71,39.09 69.35,37.45 69.67,37.13 76.96,37.13 77.1,37.13 77.95,36.28 73.06,31.39 70.92,31.39 70.92,31.12 68.47,28.67 68.45,28.65 65.75,28.65 65.75,27.92 65.66,27.83 65.45,27.62 65.66,9.9 65.45,10.11 65.34,10.22 65.02,9.9 59.43,9.9 59.43,26.08 58.66,26.85 58.64,26.87 52.37,26.87 52.37,26.26 51.74,25.63 51.23,25.12 46.53,25.12 46.53,-0.05 46.54,-0.06 46.48,0 8,0 8,3.91 7.91,4 -2.4,4 -2.4,62.83 -2.68,63.11
VSS on Bottom Layer "Top Layer-No Net" (solid, remove dead copper, pour order 0): 44.33,36.347 44.33,31.242 43.54,31.242 39.35,31.242 39.35,31.369 39.35,36.347 39.37,36.347 44.36,36.347 44.36,36.297
no net on Top Layer "Top Layer-No Net" (solid, remove dead copper, pour order 47): 74.97,66.93 106.93,66.93 107,67 106.88,66.88 106.88,56.62 116.05,56.62 116.34,56.91 116,56.57 116,10 107.13,10 106.74,9.61 106.88,9.47 106.88,-0.27 46.6,-0.27 45.68,0 45.68,25 51.01,25 51.27,25.26 51.96,25.95 52.22,25.95 52.32,26.05 52.21,26.16 52.21,26.87 58.65,26.87 59.42,26.1 59.49,26.1 59.49,10.05 59.51,10.03 59.68,9.86 65.16,9.86 65.16,9.88 65.41,10.13 65.46,10.18 65.46,28.49 68.21,28.49 68.44,28.72 71.06,31.34 71.21,31.34 73.17,31.34 77.31,35.48 77.31,37.04 69.8,37.04 67.67,39.17 67.57,39.27 67.57,41.74 74.72,41.74 74.74,41.76 74.69,41.81 74.69,67.16
no net on Top Layer "Top Layer-No Net" (solid, remove dead copper, pour order 45): 46.59,-0.05 8.06,-0.05 7.78,0.23 7.78,4 -2.4,4 -2.4,4.29 -2.4,63.11 7.15,63.11 7.64,63.6 7.64,67.37 74.36,67.37 74.64,67.09 74.64,41.92 67.64,41.92 67.57,41.85 67.57,39.38 67.57,39.33 69.56,37.34 69.75,37.15 77.31,37.15 77.31,35.59 73.17,31.45 71.06,31.45 68.21,28.6 67.94,28.6 65.46,28.6 65.4,28.54 65.4,10.48 65.4,10.21 65.16,9.97 59.68,9.97 59.68,11.96 59.5,12.14 59.354,12.285 59.354,26.215 59.354,26.275 58.65,26.98 58.57,26.9 52.08,26.9 52.08,26.25 50.95,25.12 46.52,25.12 46.52,0.15 46.18,-0.19

## Keep-outs
Keep-Out Layer:
  the board outline again, w0.254

## Silkscreen, mask and mechanical layers (free items; w line width, h text height)
Top Overlay:
  lines w0.254: 22.69,16.053 22.69,16.178 ; 22.75,49.886 22.87,49.766 22.87,49.733 ; 22.91,32.919 22.91,32.957 ; 37.515,22.454 37.67,22.454 ; 37.57,45.034 ccw(c37.714,45.051) 37.73,44.907 ; 52.55,50.013 ccw(c52.72,50.132) 52.84,49.962 ; 52.7,15.977 ccw(c52.677,16.03) 52.73,16.053 ; 64.56,50.063 ccw(c64.671,50.073) 64.68,49.962 ; 64.66,32.995 ccw(c64.728,32.986) 64.72,32.918 ; 64.7,16.002 ccw(c64.702,16.03) 64.73,16.027 ; 76.63,33.02 cw(c76.685,33.015) 76.69,33.071 ; 76.67,50.089 ccw(c76.776,50.043) 76.73,49.936 ; 76.68,15.926 cw(c76.705,15.951) 76.68,15.977 ; 88.64,50.114 ccw(c88.802,50.022) 88.71,49.86 ; 88.66,32.918 ccw(c88.597,32.982) 88.66,33.045 ; 88.72,16.002 ccw(c88.735,16.017) 88.75,16.002 ; 100.66,49.936 cw(c100.733,49.94) 100.73,50.013 ; 100.67,32.918 cw(c100.728,32.937) 100.71,32.995 ; 100.69,15.875 cw(c100.766,15.951) 100.69,16.027
Bottom Overlay:
  lines w0.254: 110.98,10.16 111.005,10.185
  text "JG_HHT(CAL_PWR)_PCB(DY)_V2.0.0" at 54.64,65.16 h0.8
  text "LH_20170416" at 54.5,64.24 h0.8
  text "HXGK" at 61.67,63.92 h2.54
  text "JLCJLCJLCJLC" at 54.59,63.39 h0.8
  text "20" at 4.05,57.525 h0.8
  text "1" at 19,41.91 h4
  text "1" at 3.1,4.675 h0.8
Mechanical 15:
  lines w0.254: 106.91,40.538 106.052,40.538 106.03,40.517 106.03,26.518 107.15,26.518

## Text inside footprints (layer, text, board x,y; h text height)
J2: Bottom Overlay "VCC" at 111.77,36.431 h1; Bottom Overlay "TX" at 111.73,33.917 h1; Bottom Overlay "RX" at 111.92,31.783 h1; Bottom Overlay "GND" at 112.01,29.548 h1